# Allegro board 8880F5-0827_6.brd (continued)
## Routing (per net, layer and track width the routed paths; a pad name or vN(x,y) marks a point on that pad's centre or on a via; arc(x,y) is an arc through that point) (continued)
  L28_SIGNAL w0.074: 171.91,81.28 D118.B6 ; D118.B6 172.72,82.09 ; D118.B6 173.53,81.28 ; D118.B6 172.72,80.47 ; CSDPS429.C13 170.99,340.36 ; CSDPS429.C13 170.18,341.17 ; CSDPS429.C13 169.37,340.36 ; CSDPS429.C13 170.18,339.55 ; DPS2.C05 337.82,411.02 ; DPS2.C05 337.01,410.21 ; DPS2.C05 338.63,410.21 ; DPS2.C05 337.82,409.4 ; D231.B11 176.07,370.84 ; D231.B11 175.26,371.65 ; D231.B11 174.45,370.84 ; D231.B11 175.26,370.03 ; 108.41,81.28 D130.B10 ; D130.B10 109.22,80.47 ; D130.B10 110.03,81.28 ; D130.B10 109.22,82.09 ; 347.98,409.4 DPS2.C01 ; DPS2.C01 348.79,410.21 ; DPS2.C01 347.98,411.02 ; DPS2.C01 347.17,410.21 ; D302.A8 325.12,66.75 ; D302.A8 325.83,66.04 ; D302.A8 324.41,66.04 ; D302.A8 325.12,65.33 ; 330.2,352.25 D114.A8 ; D114.A8 330.2,353.87 ; D114.A8 329.39,353.06 ; D114.A8 331.01,353.06 ; 307.34,32.21 D104.A1 ; D104.A1 306.53,33.02 ; D104.A1 308.15,33.02 ; D104.A1 307.34,33.83 ; D112.B4 414.83,388.62 ; D112.B4 414.02,389.43 ; D112.B4 414.02,387.81 ; D112.B4 413.21,388.62 ; 388.62,90.73 D305.B4 ; D305.B4 387.91,91.44 ; D305.B4 389.33,91.44 ; D305.B4 388.62,92.15 ; 198.12,55.07 D119.A16 ; D119.A16 198.12,56.69 ; D119.A16 198.93,55.88 ; D119.A16 197.31,55.88 ; 123.65,35.56 D132.A16 ; D132.A16 124.46,34.75 ; D132.A16 124.46,36.37 ; D132.A16 125.27,35.56 ; D318.A13 190.5,64.21 ; D318.A13 189.79,63.5 ; D318.A13 191.21,63.5 ; D318.A13 190.5,62.79 ; D129.B2 88.9,102.41 ; D129.B2 88.9,100.79 ; D129.B2 89.71,101.6 ; D129.B2 88.09,101.6 ; 311.71,63.5 D302.A3 ; D302.A3 312.42,64.21 ; D302.A3 313.13,63.5 ; D302.A3 312.42,62.79 ; 248.21,68.58 D322.B7 ; D322.B7 248.92,67.87 ; D322.B7 248.92,69.29 ; D322.B7 249.63,68.58 ; D128.A6 25.4,36.37 ; D128.A6 26.21,35.56 ; D128.A6 24.59,35.56 ; D128.A6 25.4,34.75 ; D120.A11 186.23,33.02 ; D120.A11 185.42,32.21 ; D120.A11 185.42,33.83 ; D120.A11 184.61,33.02 ; D124.A16 272.59,35.56 ; D124.A16 271.78,36.37 ; D124.A16 270.97,35.56 ; D124.A16 271.78,34.75 ; D112.A16 383.54,394.51 ; D112.A16 384.35,393.7 ; D112.A16 383.54,392.89 ; D112.A16 382.73,393.7 ; 253.33,180.85 SITE3.G6 ; SITE3.G6 253.81,181.33 ; SITE3.G6 252.85,181.33 ; SITE3.G6 253.33,181.81 ; 245.67,71.12 D322.B6 ; D322.B6 246.38,71.83 ; D322.B6 246.38,70.41 ; D322.B6 247.09,71.12 ; D122.A4 241.3,77.01 ; D122.A4 240.49,76.2 ; D122.A4 242.11,76.2 ; D122.A4 241.3,75.39 ; DPS3.C15 269.24,19.86 ; DPS3.C15 269.24,18.24 ; DPS3.C15 268.43,19.05 ; DPS3.C15 270.05,19.05 ; D128.B8 31.29,40.64 ; D128.B8 30.48,39.83 ; D128.B8 30.48,41.45 ; D128.B8 29.67,40.64 ; 401.32,390.35 D112.B9 ; D112.B9 401.32,391.97 ; D112.B9 400.51,391.16 ; D112.B9 402.13,391.16 ; 106.68,93.17 D129.A9 ; D129.A9 107.49,93.98 ; D129.A9 105.87,93.98 ; D129.A9 106.68,94.79 ; D124.A1 233.68,33.83 ; D124.A1 234.49,33.02 ; D124.A1 233.68,32.21 ; D124.A1 232.87,33.02 ; D322.A6 246.38,66.75 ; D322.A6 245.67,66.04 ; D322.A6 247.09,66.04 ; D322.A6 246.38,65.33 ; 49.99,40.64 D128.B16 ; D128.B16 50.8,41.45 ; D128.B16 50.8,39.83 ; D128.B16 51.61,40.64 ; 410.67,370.84 D111.B5 ; D111.B5 411.48,371.65 ; D111.B5 412.29,370.84 ; D111.B5 411.48,370.03 ; 265.99,66.04 D322.A14 ; D322.A14 266.7,66.75 ; D322.A14 267.41,66.04 ; D322.A14 266.7,65.33 ; D109.A5 412.29,335.28 ; D109.A5 411.48,336.09 ; D109.A5 410.67,335.28 ; D109.A5 411.48,334.47 ; 174.45,58.42 D119.B7 ; D119.B7 175.26,57.61 ; D119.B7 175.26,59.23 ; D119.B7 176.07,58.42 ; 43.18,37.29 D128.B13 ; D128.B13 43.99,38.1 ; D128.B13 43.18,38.91 ; D128.B13 42.37,38.1 ; D109.B8 404.67,327.66 ; D109.B8 403.86,328.47 ; D109.B8 403.05,327.66 ; D109.B8 403.86,326.85 ; D103.B10 330.2,61.77 ; D103.B10 330.2,60.15 ; D103.B10 331.01,60.96 ; D103.B10 329.39,60.96 ; 171.91,55.88 D119.A6 ; D119.A6 172.72,56.69 ; D119.A6 173.53,55.88 ; D119.A6 172.72,55.07 ; 339.55,40.64 D104.B14 ; D104.B14 341.17,40.64 ; D104.B14 340.36,41.45 ; D104.B14 340.36,39.83 ; D301.A9 328.37,83.82 ; D301.A9 327.66,83.11 ; D301.A9 327.66,84.53 ; D301.A9 326.95,83.82 ; 184.71,83.82 D317.A11 ; D317.A11 185.42,83.11 ; D317.A11 185.42,84.53 ; D317.A11 186.13,83.82 ; 50.8,80.47 D126.B16 ; D126.B16 50.8,82.09 ; D126.B16 49.99,81.28 ; D126.B16 51.61,81.28 ; DPS2.A05 338.63,415.29 ; DPS2.A05 337.82,414.48 ; DPS2.A05 337.01,415.29 ; DPS2.A05 337.82,416.1 ; 324.31,40.64 D104.B8 ; D104.B8 325.12,41.45 ; D104.B8 325.12,39.83 ; D104.B8 325.93,40.64 ; D120.B12 187.96,41.45 ; D120.B12 187.96,39.83 ; D120.B12 187.15,40.64 ; D120.B12 188.77,40.64 ; 316.79,63.5 D302.A5 ; D302.A5 317.5,64.21 ; D302.A5 317.5,62.79 ; D302.A5 318.21,63.5 ; 241.3,342.09 CSDPS425.B14 ; CSDPS425.B14 240.49,342.9 ; CSDPS425.B14 241.3,343.71 ; CSDPS425.B14 242.11,342.9 ; 37.29,78.74 D126.B11 ; D126.B11 38.1,79.55 ; D126.B11 38.1,77.93 ; D126.B11 38.91,78.74 ; 386.08,88.19 D305.B3 ; D305.B3 386.79,88.9 ; D305.B3 385.37,88.9 ; D305.B3 386.08,89.61 ; 406.4,18.24 DPS1.C11 ; DPS1.C11 406.4,19.86 ; DPS1.C11 407.21,19.05 ; DPS1.C11 405.59,19.05 ; 121.11,38.1 D132.B15 ; D132.B15 121.92,38.91 ; D132.B15 121.92,37.29 ; D132.B15 122.73,38.1 ; 330.2,326.85 D113.B8 ; D113.B8 330.2,328.47 ; D113.B8 329.39,327.66 ; D113.B8 331.01,327.66 ; 259.08,32.21 D124.A11 ; D124.A11 259.89,33.02 ; D124.A11 259.08,33.83 ; D124.A11 258.27,33.02 ; CSDPS229.C13 170.18,331.01 ; CSDPS229.C13 170.18,329.39 ; CSDPS229.C13 170.99,330.2 ; CSDPS229.C13 169.37,330.2 ; 256.54,60.15 D123.B10 ; D123.B10 255.73,60.96 ; D123.B10 256.54,61.77 ; D123.B10 257.35,60.96 ; 332.74,62.79 D302.A11 ; D302.A11 332.03,63.5 ; D302.A11 333.45,63.5 ; D302.A11 332.74,64.21 ; D431.A1 201.47,386.08 ; D431.A1 200.66,385.27 ; D431.A1 199.85,386.08 ; D431.A1 200.66,386.89 ; D116.B2 346.25,388.62 ; D116.B2 344.63,388.62 ; D116.B2 345.44,387.81 ; D116.B2 345.44,389.43 ; CSDPS225.B6 262.43,332.74 ; CSDPS225.B6 260.81,332.74 ; CSDPS225.B6 261.62,331.93 ; CSDPS225.B6 261.62,333.55 ; SITE3.G14 250.71,182.83 ; SITE3.G14 250.23,182.35 ; SITE3.G14 249.75,182.83 ; SITE3.G14 250.23,183.31 ; D110.A13 391.97,355.6 ; D110.A13 391.16,356.41 ; D110.A13 390.35,355.6 ; D110.A13 391.16,354.79 ; 396.24,52.53 D107.A7 ; D107.A7 397.05,53.34 ; D107.A7 395.43,53.34 ; D107.A7 396.24,54.15 ; D119.B14 193.85,60.96 ; D119.B14 192.23,60.96 ; D119.B14 193.04,61.77 ; D119.B14 193.04,60.15 ; DPS2.A11 323.39,415.29 ; DPS2.A11 322.58,416.1 ; DPS2.A11 321.77,415.29 ; DPS2.A11 322.58,414.48 ; D114.A12 320.85,353.06 ; D114.A12 320.04,352.25 ; D114.A12 319.23,353.06 ; D114.A12 320.04,353.87 ; UNK2U1.4 482.59,229.49 ; UNK2U1.4 483.53,228.55 ; UNK2U1.4 482.59,227.61 ; UNK2U1.4 481.65,228.55 ; 309.88,65.33 D302.A2 ; D302.A2 309.88,66.75 ; D302.A2 309.17,66.04 ; D302.A2 310.59,66.04 ; 182.88,85.65 D317.A10 ; D317.A10 182.88,87.07 ; D317.A10 182.17,86.36 ; D317.A10 183.59,86.36 ; D231.B13 170.99,370.84 ; D231.B13 170.18,371.65 ; D231.B13 169.37,370.84 ; D231.B13 170.18,370.03 ; 342.9,390.35 D116.B3 ; D116.B3 342.09,391.16 ; D116.B3 342.9,391.97 ; D116.B3 343.71,391.16 ; 187.15,55.88 D119.A12 ; D119.A12 188.77,55.88 ; D119.A12 187.96,56.69 ; D119.A12 187.96,55.07 ; 258.37,63.5 D322.A11 ; D322.A11 259.08,64.21 ; D322.A11 259.79,63.5 ; D322.A11 259.08,62.79 ; 27.94,32.21 D128.A7 ; D128.A7 27.13,33.02 ; D128.A7 27.94,33.83 ; D128.A7 28.75,33.02 ; 187.25,86.36 D317.A12 ; D317.A12 187.96,87.07 ; D317.A12 188.67,86.36 ; D317.A12 187.96,85.65 ; 321.77,335.28 D113.A11 ; D113.A11 323.39,335.28 ; D113.A11 322.58,334.47 ; D113.A11 322.58,336.09 ; 184.61,58.42 D119.B11 ; D119.B11 186.23,58.42 ; D119.B11 185.42,59.23 ; D119.B11 185.42,57.61 ; 347.98,349.71 D114.B1 ; D114.B1 347.98,351.33 ; D114.B1 348.79,350.52 ; D114.B1 347.17,350.52 ; 248.92,62.79 D322.A7 ; D322.A7 249.63,63.5 ; D322.A7 248.21,63.5 ; D322.A7 248.92,64.21 ; 253.19,53.34 D123.A9 ; D123.A9 254.81,53.34 ; D123.A9 254,54.15 ; D123.A9 254,52.53 ; SITE1.G13 249.03,243.31 ; SITE1.G13 249.03,242.35 ; SITE1.G13 249.51,242.83 ; SITE1.G13 248.55,242.83 ; 396.24,32.21 D108.A7 ; D108.A7 395.43,33.02 ; D108.A7 396.24,33.83 ; D108.A7 397.05,33.02 ; 250.95,186.43 SITE3.G19 ; SITE3.G19 251.43,185.95 ; SITE3.G19 251.91,186.43 ; SITE3.G19 251.43,186.91 ; D126.A1 13.51,73.66 ; D126.A1 12.7,72.85 ; D126.A1 11.89,73.66 ; D126.A1 12.7,74.47 ; 164.29,58.42 D119.B3 ; D119.B3 165.1,57.61 ; D119.B3 165.91,58.42 ; D119.B3 165.1,59.23 ; 19.51,96.52 D125.A4 ; D125.A4 20.32,95.71 ; D125.A4 20.32,97.33 ; D125.A4 21.13,96.52 ; 406.4,57.61 D107.B11 ; D107.B11 405.59,58.42 ; D107.B11 406.4,59.23 ; D107.B11 407.21,58.42 ; 330.2,90.73 D301.B10 ; D301.B10 330.91,91.44 ; D301.B10 329.49,91.44 ; D301.B10 330.2,92.15 ; 248.92,339.55 CSDPS425.C11 ; CSDPS425.C11 248.11,340.36 ; CSDPS425.C11 249.73,340.36 ; CSDPS425.C11 248.92,341.17 ; 248.33,187.45 SITE3.G7 ; SITE3.G7 248.33,188.41 ; SITE3.G7 247.85,187.93 ; SITE3.G7 248.81,187.93 ; 250.23,185.95 SITE3.G18 ; SITE3.G18 250.23,186.91 ; SITE3.G18 250.71,186.43 ; SITE3.G18 249.75,186.43 ; D110.B16 384.35,347.98 ; D110.B16 383.54,348.79 ; D110.B16 383.54,347.17 ; D110.B16 382.73,347.98 ; D128.B2 15.24,41.45 ; D128.B2 15.24,39.83 ; D128.B2 14.43,40.64 ; D128.B2 16.05,40.64 ; 385.27,375.92 D111.A15 ; D111.A15 386.08,375.11 ; D111.A15 386.89,375.92 ; D111.A15 386.08,376.73 ; CSDPS229.B14 167.64,333.55 ; CSDPS229.B14 168.45,332.74 ; CSDPS229.B14 167.64,331.93 ; CSDPS229.B14 166.83,332.74 ; D103.B13 338.63,58.42 ; D103.B13 337.82,59.23 ; D103.B13 337.82,57.61 ; D103.B13 337.01,58.42 ; D322.B4 241.3,71.83 ; D322.B4 240.59,71.12 ; D322.B4 242.01,71.12 ; D322.B4 241.3,70.41 ; 416.56,370.03 D111.B3 ; D111.B3 416.56,371.65 ; D111.B3 415.75,370.84 ; D111.B3 417.37,370.84 ; DPS2.C15 312.42,411.02 ; DPS2.C15 311.61,410.21 ; DPS2.C15 312.42,409.4 ; DPS2.C15 313.23,410.21 ; D322.A10 257.25,66.04 ; D322.A10 256.54,66.75 ; D322.A10 256.54,65.33 ; D322.A10 255.83,66.04 ; 400.61,88.9 D305.B9 ; D305.B9 401.32,88.19 ; D305.B9 402.03,88.9 ; D305.B9 401.32,89.61 ; 90.63,93.98 D129.A3 ; D129.A3 92.25,93.98 ; D129.A3 91.44,94.79 ; D129.A3 91.44,93.17 ; 406.4,375.11 D111.A7 ; D111.A7 407.21,375.92 ; D111.A7 405.59,375.92 ; D111.A7 406.4,376.73 ; 330.2,70.41 D302.B10 ; D302.B10 330.91,71.12 ; D302.B10 330.2,71.83 ; D302.B10 329.49,71.12 ; 238.05,83.82 D321.A3 ; D321.A3 238.76,83.11 ; D321.A3 239.47,83.82 ; D321.A3 238.76,84.53 ; 251.85,241.33 SITE1.G5 ; SITE1.G5 252.33,241.81 ; SITE1.G5 252.33,240.85 ; SITE1.G5 252.81,241.33 ; 385.37,68.58 D306.B3 ; D306.B3 386.08,67.87 ; D306.B3 386.08,69.29 ; D306.B3 386.79,68.58 ; D112.A8 404.67,393.7 ; D112.A8 403.86,392.89 ; D112.A8 403.05,393.7 ; D112.A8 403.86,394.51 ; 421.64,375.11 D111.A1 ; D111.A1 420.83,375.92 ; D111.A1 422.45,375.92 ; D111.A1 421.64,376.73 ; 327.66,329.39 D113.B9 ; D113.B9 326.85,330.2 ; D113.B9 328.47,330.2 ; D113.B9 327.66,331.01 ; D106.A3 386.89,73.66 ; D106.A3 386.08,72.85 ; D106.A3 386.08,74.47 ; D106.A3 385.27,73.66 ; 314.96,352.25 D114.A14 ; D114.A14 315.77,353.06 ; D114.A14 314.15,353.06 ; D114.A14 314.96,353.87 ; D108.B9 401.32,38.91 ; D108.B9 400.51,38.1 ; D108.B9 401.32,37.29 ; D108.B9 402.13,38.1 ; D120.B16 198.12,41.45 ; D120.B16 197.31,40.64 ; D120.B16 198.12,39.83 ; D120.B16 198.93,40.64 ; CSDPS425.B2 272.59,342.9 ; CSDPS425.B2 271.78,343.71 ; CSDPS425.B2 270.97,342.9 ; CSDPS425.B2 271.78,342.09 ; 517.98,203.45 S4_I2C.4 ; S4_I2C.4 518.92,202.51 ; S4_I2C.4 518.92,204.39 ; S4_I2C.4 519.86,203.45 ; D131.B3 92.25,58.42 ; D131.B3 91.44,57.61 ; D131.B3 90.63,58.42 ; D131.B3 91.44,59.23 ; 250.65,40.64 D124.B8 ; D124.B8 252.27,40.64 ; D124.B8 251.46,41.45 ; D124.B8 251.46,39.83 ; 311.61,78.74 D102.B3 ; D102.B3 312.42,79.55 ; D102.B3 312.42,77.93 ; D102.B3 313.23,78.74 ; D104.A15 343.71,33.02 ; D104.A15 342.9,33.83 ; D104.A15 342.09,33.02 ; D104.A15 342.9,32.21 ; D321.B2 236.93,91.44 ; D321.B2 236.22,92.15 ; D321.B2 235.51,91.44 ; D321.B2 236.22,90.73 ; DPS3.A01 233.68,14.78 ; DPS3.A01 234.49,13.97 ; DPS3.A01 232.87,13.97 ; DPS3.A01 233.68,13.16 ; 187.96,367.49 D231.B6 ; D231.B6 187.15,368.3 ; D231.B6 188.77,368.3 ; D231.B6 187.96,369.11 ; 172.72,331.93 CSDPS229.B12 ; CSDPS229.B12 171.91,332.74 ; CSDPS229.B12 172.72,333.55 ; CSDPS229.B12 173.53,332.74 ; D106.B2 384.35,81.28 ; D106.B2 383.54,80.47 ; D106.B2 382.73,81.28 ; D106.B2 383.54,82.09 ; 254,67.87 D322.B9 ; D322.B9 254,69.29 ; D322.B9 253.29,68.58 ; D322.B9 254.71,68.58 ; 177.8,70.41 D318.B8 ; D318.B8 177.09,71.12 ; D318.B8 178.51,71.12 ; D318.B8 177.8,71.83 ; D305.A1 381,84.53 ; D305.A1 381.71,83.82 ; D305.A1 380.29,83.82 ; D305.A1 381,83.11 ; 413.21,393.7 D112.A4 ; D112.A4 414.02,392.89 ; D112.A4 414.02,394.51 ; D112.A4 414.83,393.7 ; 331.33,187.45 SITE4.G10 ; SITE4.G10 330.85,187.93 ; SITE4.G10 331.81,187.93 ; SITE4.G10 331.33,188.41 ; D126.B13 43.99,78.74 ; D126.B13 42.37,78.74 ; D126.B13 43.18,77.93 ; D126.B13 43.18,79.55 ; D122.B12 261.62,82.09 ; D122.B12 260.81,81.28 ; D122.B12 261.62,80.47 ; D122.B12 262.43,81.28 ; 22.05,58.42 D127.B5 ; D127.B5 22.86,57.61 ; D127.B5 22.86,59.23 ; D127.B5 23.67,58.42 ; D120.A10 183.69,35.56 ; D120.A10 182.88,34.75 ; D120.A10 182.07,35.56 ; D120.A10 182.88,36.37 ; 406.4,370.03 D111.B7 ; D111.B7 405.59,370.84 ; D111.B7 407.21,370.84 ; D111.B7 406.4,371.65 ; D109.B6 409.75,327.66 ; D109.B6 408.13,327.66 ; D109.B6 408.94,328.47 ; D109.B6 408.94,326.85 ; 88.09,96.52 D129.A2 ; D129.A2 89.71,96.52 ; D129.A2 88.9,97.33 ; D129.A2 88.9,95.71 ; 35.56,75.39 D126.A10 ; D126.A10 35.56,77.01 ; D126.A10 34.75,76.2 ; D126.A10 36.37,76.2 ; 254,77.93 D122.B9 ; D122.B9 254,79.55 ; D122.B9 253.19,78.74 ; D122.B9 254.81,78.74 ; D119.A1 160.02,54.15 ; D119.A1 159.21,53.34 ; D119.A1 160.02,52.53 ; D119.A1 160.83,53.34 ; 383.54,372.57 D111.A16 ; D111.A16 382.73,373.38 ; D111.A16 383.54,374.19 ; D111.A16 384.35,373.38 ; SITE2.G18 330.71,246.43 ; SITE2.G18 329.75,246.43 ; SITE2.G18 330.23,245.95 ; SITE2.G18 330.23,246.91 ; D104.B2 310.69,40.64 ; D104.B2 309.07,40.64 ; D104.B2 309.88,41.45 ; D104.B2 309.88,39.83 ; D318.A7 175.26,64.21 ; D318.A7 175.26,62.79 ; D318.A7 175.97,63.5 ; D318.A7 174.55,63.5 ; D111.A10 399.59,373.38 ; D111.A10 398.78,372.57 ; D111.A10 398.78,374.19 ; D111.A10 397.97,373.38 ; D116.B14 315.77,388.62 ; D116.B14 314.96,389.43 ; D116.B14 314.15,388.62 ; D116.B14 314.96,387.81 ; D120.A1 160.83,33.02 ; D120.A1 160.02,33.83 ; D120.A1 159.21,33.02 ; D120.A1 160.02,32.21 ; 240.59,66.04 D322.A4 ; D322.A4 242.01,66.04 ; D322.A4 241.3,65.33 ; D322.A4 241.3,66.75 ; SITE2.G4 331.33,241.81 ; SITE2.G4 331.33,240.85 ; SITE2.G4 331.81,241.33 ; SITE2.G4 330.85,241.33 ; 49.99,60.96 D127.B16 ; D127.B16 50.8,61.77 ; D127.B16 51.61,60.96 ; D127.B16 50.8,60.15 ; 330.2,75.39 D102.A10 ; D102.A10 330.2,77.01 ; D102.A10 331.01,76.2 ; D102.A10 329.39,76.2 ; D231.B14 168.45,368.3 ; D231.B14 166.83,368.3 ; D231.B14 167.64,369.11 ; D231.B14 167.64,367.49 ; 398.78,85.65 D305.A8 ; D305.A8 398.78,87.07 ; D305.A8 398.07,86.36 ; D305.A8 399.49,86.36 ; D107.B13 412.29,58.42 ; D107.B13 411.48,57.61 ; D107.B13 411.48,59.23 ; D107.B13 410.67,58.42 ; D114.A7 332.74,356.41 ; D114.A7 332.74,354.79 ; D114.A7 333.55,355.6 ; D114.A7 331.93,355.6 ; 105.87,38.1 D132.B9 ; D132.B9 106.68,38.91 ; D132.B9 107.49,38.1 ; D132.B9 106.68,37.29 ; D317.B7 175.97,88.9 ; D317.B7 175.26,89.61 ; D317.B7 175.26,88.19 ; D317.B7 174.55,88.9 ; 169.37,58.42 D119.B5 ; D119.B5 170.18,57.61 ; D119.B5 170.18,59.23 ; D119.B5 170.99,58.42 ; D317.B8 177.8,92.15 ; D317.B8 178.51,91.44 ; D317.B8 177.09,91.44 ; D317.B8 177.8,90.73 ; D431.B1 200.66,381.81 ; D431.B1 200.66,380.19 ; D431.B1 201.47,381 ; D431.B1 199.85,381 ; D106.B7 397.05,78.74 ; D106.B7 395.43,78.74 ; D106.B7 396.24,79.55 ; D106.B7 396.24,77.93 ; 403.86,75.39 D106.A10 ; D106.A10 403.86,77.01 ; D106.A10 404.67,76.2 ; D106.A10 403.05,76.2 ; D322.B3 239.47,68.58 ; D322.B3 238.76,69.29 ; D322.B3 238.76,67.87 ; D322.B3 238.05,68.58 ; D129.A12 115.11,96.52 ; D129.A12 114.3,97.33 ; D129.A12 113.49,96.52 ; D129.A12 114.3,95.71 ; SITE3.G12 253.81,187.93 ; SITE3.G12 252.85,187.93 ; SITE3.G12 253.33,187.45 ; SITE3.G12 253.33,188.41 ; 116.03,53.34 D131.A13 ; D131.A13 116.84,52.53 ; D131.A13 117.65,53.34 ; D131.A13 116.84,54.15 ; 322.58,52.53 D103.A7 ; D103.A7 322.58,54.15 ; D103.A7 321.77,53.34 ; D103.A7 323.39,53.34 ; 270.97,81.28 D122.B16 ; D122.B16 271.78,82.09 ; D122.B16 272.59,81.28 ; D122.B16 271.78,80.47 ; 418.29,40.64 D108.B16 ; D108.B16 419.1,39.83 ; D108.B16 419.91,40.64 ; D108.B16 419.1,41.45 ; 269.24,83.11 D321.A15 ; D321.A15 269.24,84.53 ; D321.A15 269.95,83.82 ; D321.A15 268.53,83.82 ; D431.A7 186.23,386.08 ; D431.A7 185.42,386.89 ; D431.A7 184.61,386.08 ; D431.A7 185.42,385.27 ; D109.B14 388.62,328.47 ; D109.B14 389.43,327.66 ; D109.B14 387.81,327.66 ; D109.B14 388.62,326.85 ; 311.71,68.58 D302.B3 ; D302.B3 313.13,68.58 ; D302.B3 312.42,69.29 ; D302.B3 312.42,67.87 ; 235.41,332.74 CSDPS225.B16 ; CSDPS225.B16 236.22,333.55 ; CSDPS225.B16 237.03,332.74 ; CSDPS225.B16 236.22,331.93 ; D127.B6 26.21,60.96 ; D127.B6 25.4,61.77 ; D127.B6 25.4,60.15 ; D127.B6 24.59,60.96 ; D126.A15 48.26,74.47 ; D126.A15 47.45,73.66 ; D126.A15 49.07,73.66 ; D126.A15 48.26,72.85 ; 39.83,101.6 D125.B12 ; D125.B12 40.64,100.79 ; D125.B12 40.64,102.41 ; D125.B12 41.45,101.6 ; 176.99,60.96 D119.B8 ; D119.B8 177.8,60.15 ; D119.B8 177.8,61.77 ; D119.B8 178.61,60.96 ; 309.07,347.98 D114.B16 ; D114.B16 310.69,347.98 ; D114.B16 309.88,347.17 ; D114.B16 309.88,348.79 ; 320.04,55.07 D103.A6 ; D103.A6 320.04,56.69 ; D103.A6 319.23,55.88 ; D103.A6 320.85,55.88 ; D116.B9 327.66,391.97 ; D116.B9 328.47,391.16 ; D116.B9 326.85,391.16 ; D116.B9 327.66,390.35 ; D107.A12 408.94,56.69 ; D107.A12 409.75,55.88 ; D107.A12 408.94,55.07 ; D107.A12 408.13,55.88 ; 42.37,33.02 D128.A13 ; D128.A13 43.18,33.83 ; D128.A13 43.99,33.02 ; D128.A13 43.18,32.21 ; 15.24,60.15 D127.B2 ; D127.B2 14.43,60.96 ; D127.B2 15.24,61.77 ; D127.B2 16.05,60.96 ; 421.64,349.71 D110.B1 ; D110.B1 421.64,351.33 ; D110.B1 420.83,350.52 ; D110.B1 422.45,350.52 ; D107.A9 402.13,53.34 ; D107.A9 400.51,53.34 ; D107.A9 401.32,54.15 ; D107.A9 401.32,52.53 ; 261.62,60.15 D123.B12 ; D123.B12 262.43,60.96 ; D123.B12 260.81,60.96 ; D123.B12 261.62,61.77 ; D301.A2 310.59,86.36 ; D301.A2 309.88,87.07 ; D301.A2 309.17,86.36 ; D301.A2 309.88,85.65 ; 253.19,340.36 CSDPS425.C9 ; CSDPS425.C9 254,341.17 ; CSDPS425.C9 254,339.55 ; CSDPS425.C9 254.81,340.36 ; D125.A1 12.7,94.79 ; D125.A1 11.89,93.98 ; D125.A1 13.51,93.98 ; D125.A1 12.7,93.17 ; 252.33,247.45 SITE1.G11 ; SITE1.G11 252.81,247.93 ; SITE1.G11 251.85,247.93 ; SITE1.G11 252.33,248.41 ; D113.A14 315.77,332.74 ; D113.A14 314.96,333.55 ; D113.A14 314.96,331.93 ; D113.A14 314.15,332.74 ; SITE2.G10 331.81,247.93 ; SITE2.G10 330.85,247.93 ; SITE2.G10 331.33,247.45 ; SITE2.G10 331.33,248.41 ; D119.B12 188.77,60.96 ; D119.B12 187.96,61.77 ; D119.B12 187.15,60.96 ; D119.B12 187.96,60.15 ; CSDPS225.B14 241.3,333.55 ; CSDPS225.B14 240.49,332.74 ; CSDPS225.B14 241.3,331.93 ; CSDPS225.B14 242.11,332.74 ; 418.29,76.2 D106.A16 ; D106.A16 419.1,77.01 ; D106.A16 419.1,75.39 ; D106.A16 419.91,76.2 ; D302.A4 314.96,66.75 ; D302.A4 314.25,66.04 ; D302.A4 314.96,65.33 ; D302.A4 315.67,66.04 ; D113.B1 348.79,330.2 ; D113.B1 347.98,329.39 ; D113.B1 347.17,330.2 ; D113.B1 347.98,331.01 ; 342.09,78.74 D102.B15 ; D102.B15 342.9,77.93 ; D102.B15 343.71,78.74 ; D102.B15 342.9,79.55 ; D321.B7 248.92,89.61 ; D321.B7 248.21,88.9 ; D321.B7 248.92,88.19 ; D321.B7 249.63,88.9 ; D318.A10 183.59,66.04 ; D318.A10 182.17,66.04 ; D318.A10 182.88,66.75 ; D318.A10 182.88,65.33 ; D124.A4 241.3,36.37 ; D124.A4 241.3,34.75 ; D124.A4 242.11,35.56 ; D124.A4 240.49,35.56 ; 174.45,375.92 D231.A11 ; D231.A11 176.07,375.92 ; D231.A11 175.26,376.73 ; D231.A11 175.26,375.11 ; D116.B13 317.5,391.97 ; D116.B13 317.5,390.35 ; D116.B13 316.69,391.16 ; D116.B13 318.31,391.16 ; D107.A1 381,54.15 ; D107.A1 381.81,53.34 ; D107.A1 381,52.53 ; D107.A1 380.19,53.34 ; CSDPS429.C1 200.66,341.17 ; CSDPS429.C1 200.66,339.55 ; CSDPS429.C1 201.47,340.36 ; CSDPS429.C1 199.85,340.36 ; 320.04,70.41 D302.B6 ; D302.B6 319.33,71.12 ; D302.B6 320.04,71.83 ; D302.B6 320.75,71.12 ; D302.A6 320.04,66.75 ; D302.A6 320.04,65.33 ; D302.A6 319.33,66.04 ; D302.A6 320.75,66.04 ; D321.A9 254,84.53 ; D321.A9 253.29,83.82 ; D321.A9 254,83.11 ; D321.A9 254.71,83.82 ; D103.A13 338.63,53.34 ; D103.A13 337.01,53.34 ; D103.A13 337.82,52.53 ; D103.A13 337.82,54.15 ; 161.85,71.12 D318.B2 ; D318.B2 162.56,70.41 ; D318.B2 162.56,71.83 ; D318.B2 163.27,71.12 ; D127.A14 46.53,55.88 ; D127.A14 45.72,55.07 ; D127.A14 45.72,56.69 ; D127.A14 44.91,55.88 ; D321.B12 262.33,91.44 ; D321.B12 261.62,92.15 ; D321.B12 260.91,91.44 ; D321.B12 261.62,90.73 ; D123.A2 236.22,56.69 ; D123.A2 235.41,55.88 ; D123.A2 236.22,55.07 ; D123.A2 237.03,55.88 ; D123.B3 239.57,58.42 ; D123.B3 238.76,57.61 ; D123.B3 238.76,59.23 ; D123.B3 237.95,58.42 ; 381,72.85 D106.A1 ; D106.A1 381.81,73.66 ; D106.A1 380.19,73.66 ; D106.A1 381,74.47 ; 316.69,330.2 D113.B13 ; D113.B13 317.5,331.01 ; D113.B13 317.5,329.39 ; D113.B13 318.31,330.2 ; 121.92,52.53 D131.A15 ; D131.A15 121.92,54.15 ; D131.A15 122.73,53.34 ; D131.A15 121.11,53.34 ; 416.56,62.79 D306.A15 ; D306.A15 415.85,63.5 ; D306.A15 417.27,63.5 ; D306.A15 416.56,64.21 ; SITE4.G17 329.03,186.91 ; SITE4.G17 329.51,186.43 ; SITE4.G17 328.55,186.43 ; SITE4.G17 329.03,185.95 ; 121.92,72.85 D130.A15 ; D130.A15 122.73,73.66 ; D130.A15 121.11,73.66 ; D130.A15 121.92,74.47 ; D118.B11 186.23,78.74 ; D118.B11 185.42,77.93 ; D118.B11 184.61,78.74 ; D118.B11 185.42,79.55 ; D103.A10 331.01,55.88 ; D103.A10 330.2,55.07 ; D103.A10 329.39,55.88 ; D103.A10 330.2,56.69 ; 110.95,73.66 D130.A11 ; D130.A11 112.57,73.66 ; D130.A11 111.76,72.85 ; D130.A11 111.76,74.47 ; 344.73,86.36 D301.A16 ; D301.A16 346.15,86.36 ; D301.A16 345.44,87.07 ; D301.A16 345.44,85.65 ; D114.A9 328.47,355.6 ; D114.A9 327.66,354.79 ; D114.A9 326.85,355.6 ; D114.A9 327.66,356.41 ; 405.69,68.58 D306.B11 ; D306.B11 407.11,68.58 ; D306.B11 406.4,69.29 ; D306.B11 406.4,67.87 ; D321.B6 246.38,92.15 ; D321.B6 245.67,91.44 ; D321.B6 246.38,90.73 ; D321.B6 247.09,91.44 ; 268.43,33.02 D124.A15 ; D124.A15 269.24,33.83 ; D124.A15 270.05,33.02 ; D124.A15 269.24,32.21 ; D115.A3 342.9,376.73 ; D115.A3 342.09,375.92 ; D115.A3 342.9,375.11 ; D115.A3 343.71,375.92 ; D102.B8 325.93,81.28 ; D102.B8 325.12,82.09 ; D102.B8 324.31,81.28 ; D102.B8 325.12,80.47 ; 326.95,68.58 D302.B9 ; D302.B9 328.37,68.58 ; D302.B9 327.66,67.87 ; D302.B9 327.66,69.29 ; 335.28,352.25 D114.A6 ; D114.A6 336.09,353.06 ; D114.A6 334.47,353.06 ; D114.A6 335.28,353.87 ; D306.A3 386.79,63.5 ; D306.A3 385.37,63.5 ; D306.A3 386.08,62.79 ; D306.A3 386.08,64.21 ; D322.B10 257.25,71.12 ; D322.B10 256.54,70.41 ; D322.B10 256.54,71.83 ; D322.B10 255.83,71.12 ; 405.59,355.6 D110.A7 ; D110.A7 406.4,354.79 ; D110.A7 407.21,355.6 ; D110.A7 406.4,356.41 ; D122.A8 251.46,77.01 ; D122.A8 250.65,76.2 ; D122.A8 251.46,75.39 ; D122.A8 252.27,76.2 ; D103.A15 342.9,54.15 ; D103.A15 342.9,52.53 ; D103.A15 342.09,53.34 ; D103.A15 343.71,53.34 ; D112.B16 384.35,388.62 ; D112.B16 383.54,389.43 ; D112.B16 382.73,388.62 ; D112.B16 383.54,387.81 ; D113.A16 309.88,333.55 ; D113.A16 309.88,331.93 ; D113.A16 309.07,332.74 ; D113.A16 310.69,332.74 ; 410.67,33.02 D108.A13 ; D108.A13 412.29,33.02 ; D108.A13 411.48,33.83 ; D108.A13 411.48,32.21 ; 38.1,72.85 D126.A11 ; D126.A11 37.29,73.66 ; D126.A11 38.1,74.47 ; D126.A11 38.91,73.66 ; D109.A3 417.37,335.28 ; D109.A3 416.56,334.47 ; D109.A3 415.75,335.28 ; D109.A3 416.56,336.09 ; 194.77,38.1 D120.B15 ; D120.B15 195.58,37.29 ; D120.B15 196.39,38.1 ; D120.B15 195.58,38.91 ; SITE2.G14 330.23,243.31 ; SITE2.G14 330.23,242.35 ; SITE2.G14 330.71,242.83 ; SITE2.G14 329.75,242.83 ; D129.A1 87.17,93.98 ; D129.A1 86.36,93.17 ; D129.A1 86.36,94.79 ; D129.A1 85.55,93.98 ; 182.88,367.49 D231.B8 ; D231.B8 182.07,368.3 ; D231.B8 183.69,368.3 ; D231.B8 182.88,369.11 ; D125.B1 12.7,99.87 ; D125.B1 13.51,99.06 ; D125.B1 11.89,99.06 ; D125.B1 12.7,98.25 ; 250.33,247.45 SITE1.G9 ; SITE1.G9 250.81,247.93 ; SITE1.G9 250.33,248.41 ; SITE1.G9 249.85,247.93 ; D123.A16 271.78,56.69 ; D123.A16 270.97,55.88 ; D123.A16 271.78,55.07 ; D123.A16 272.59,55.88 ; 271.07,66.04 D322.A16 ; D322.A16 271.78,65.33 ; D322.A16 272.49,66.04 ; D322.A16 271.78,66.75 ; 241.3,55.07 D123.A4 ; D123.A4 241.3,56.69 ; D123.A4 242.11,55.88 ; D123.A4 240.49,55.88 ; 408.94,392.89 D112.A6 ; D112.A6 409.75,393.7 ; D112.A6 408.94,394.51 ; D112.A6 408.13,393.7 ; D130.A16 125.27,76.2 ; D130.A16 124.46,77.01 ; D130.A16 124.46,75.39 ; D130.A16 123.65,76.2 ; 101.6,93.17 D129.A7 ; D129.A7 101.6,94.79 ; D129.A7 100.79,93.98 ; D129.A7 102.41,93.98 ; D322.B16 271.78,71.83 ; D322.B16 272.49,71.12 ; D322.B16 271.78,70.41 ; D322.B16 271.07,71.12 ; D106.B9 402.13,78.74 ; D106.B9 401.32,77.93 ; D106.B9 401.32,79.55 ; D106.B9 400.51,78.74 ; 22.86,37.29 D128.B5 ; D128.B5 22.05,38.1 ; D128.B5 22.86,38.91 ; D128.B5 23.67,38.1 ; D231.B3 195.58,371.65 ; D231.B3 196.39,370.84 ; D231.B3 195.58,370.03 ; D231.B3 194.77,370.84 ; 175.26,77.93 D118.B7 ; D118.B7 176.07,78.74 ; D118.B7 175.26,79.55 ; D118.B7 174.45,78.74 ; CSDPS225.C11 248.92,331.01 ; CSDPS225.C11 248.11,330.2 ; CSDPS225.C11 249.73,330.2 ; CSDPS225.C11 248.92,329.39 ; D109.B2 419.91,327.66 ; D109.B2 419.1,328.47 ; D109.B2 418.29,327.66 ; D109.B2 419.1,326.85 ; D131.B15 122.73,58.42 ; D131.B15 121.11,58.42 ; D131.B15 121.92,57.61 ; D131.B15 121.92,59.23 ; D102.A12 336.09,76.2 ; D102.A12 334.47,76.2 ; D102.A12 335.28,77.01 ; D102.A12 335.28,75.39 ; 265.89,76.2 D122.A14 ; D122.A14 266.7,75.39 ; D122.A14 267.51,76.2 ; D122.A14 266.7,77.01 ; 335.28,392.89 D116.A6 ; D116.A6 336.09,393.7 ; D116.A6 334.47,393.7 ; D116.A6 335.28,394.51 ; 347.17,355.6 D114.A1 ; D114.A1 348.79,355.6 ; D114.A1 347.98,356.41 ; D114.A1 347.98,354.79 ; D321.B1 233.68,89.61 ; D321.B1 234.39,88.9 ; D321.B1 233.68,88.19 ; D321.B1 232.97,88.9 ; 314.15,35.56 D104.A4 ; D104.A4 314.96,34.75 ; D104.A4 314.96,36.37 ; D104.A4 315.77,35.56 ; 335.28,387.81 D116.B6 ; D116.B6 335.28,389.43 ; D116.B6 334.47,388.62 ; D116.B6 336.09,388.62 ; 176.99,373.38 D231.A10 ; D231.A10 177.8,372.57 ; D231.A10 177.8,374.19 ; D231.A10 178.61,373.38 ; SITE1.G8 249.81,247.93 ; SITE1.G8 249.33,247.45 ; SITE1.G8 249.33,248.41 ; SITE1.G8 248.85,247.93 ; D306.A5 391.87,63.5 ; D306.A5 390.45,63.5 ; D306.A5 391.16,62.79 ; D306.A5 391.16,64.21 ; D119.A2 163.37,55.88 ; D119.A2 162.56,55.07 ; D119.A2 161.75,55.88 ; D119.A2 162.56,56.69 ; D127.A7 28.75,53.34 ; D127.A7 27.94,54.15 ; D127.A7 27.13,53.34 ; D127.A7 27.94,52.53 ; 324.31,388.62 D116.B10 ; D116.B10 325.12,387.81 ; D116.B10 325.12,389.43 ; D116.B10 325.93,388.62 ; D318.A6 173.43,66.04 ; D318.A6 172.01,66.04 ; D318.A6 172.72,65.33 ; D318.A6 172.72,66.75 ; D120.B8 178.61,40.64 ; D120.B8 176.99,40.64 ; D120.B8 177.8,39.83 ; D120.B8 177.8,41.45 ; D122.B1 234.49,78.74 ; D122.B1 233.68,79.55 ; D122.B1 233.68,77.93 ; D122.B1 232.87,78.74 ; 45.72,100.79 D125.B14 ; D125.B14 46.53,101.6 ; D125.B14 45.72,102.41 ; D125.B14 44.91,101.6 ; D125.A7 28.75,93.98 ; D125.A7 27.94,93.17 ; D125.A7 27.94,94.79 ; D125.A7 27.13,93.98 ; D305.B5 391.87,88.9 ; D305.B5 391.16,89.61 ; D305.B5 390.45,88.9 ; D305.B5 391.16,88.19 ; D118.A12 188.77,76.2 ; D118.A12 187.15,76.2 ; D118.A12 187.96,77.01 ; D118.A12 187.96,75.39 ; 418.29,353.06 D110.A2 ; D110.A2 419.1,353.87 ; D110.A2 419.1,352.25 ; D110.A2 419.91,353.06 ; 103.33,60.96 D131.B8 ; D131.B8 104.95,60.96 ; D131.B8 104.14,60.15 ; D131.B8 104.14,61.77 ; 326.85,33.02 D104.A9 ; D104.A9 328.47,33.02 ; D104.A9 327.66,32.21 ; D104.A9 327.66,33.83 ; D131.B12 114.3,61.77 ; D131.B12 115.11,60.96 ; D131.B12 113.49,60.96 ; D131.B12 114.3,60.15 ; D108.A3 386.08,33.83 ; D108.A3 385.27,33.02 ; D108.A3 386.89,33.02 ; D108.A3 386.08,32.21 ; D123.A14 267.51,55.88 ; D123.A14 266.7,55.07 ; D123.A14 265.89,55.88 ; D123.A14 266.7,56.69 ; 347.98,375.11 D115.A1 ; D115.A1 347.17,375.92 ; D115.A1 347.98,376.73 ; D115.A1 348.79,375.92 ; D111.B13 391.16,371.65 ; D111.B13 390.35,370.84 ; D111.B13 391.97,370.84 ; D111.B13 391.16,370.03 ; 185.42,37.29 D120.B11 ; D120.B11 184.61,38.1 ; D120.B11 185.42,38.91 ; D120.B11 186.23,38.1 ; 395.53,88.9 D305.B7 ; D305.B7 396.95,88.9 ; D305.B7 396.24,88.19 ; D305.B7 396.24,89.61 ; 175.26,83.11 D317.A7 ; D317.A7 175.97,83.82 ; D317.A7 174.55,83.82 ; D317.A7 175.26,84.53 ; 27.13,38.1 D128.B7 ; D128.B7 27.94,38.91 ; D128.B7 28.75,38.1 ; D128.B7 27.94,37.29 ; D116.A16 310.69,393.7 ; D116.A16 309.07,393.7 ; D116.A16 309.88,394.51 ; D116.A16 309.88,392.89 ; 232.87,73.66 D122.A1 ; D122.A1 233.68,74.47 ; D122.A1 234.49,73.66 ; D122.A1 233.68,72.85 ; D306.B7 396.24,69.29 ; D306.B7 396.24,67.87 ; D306.B7 395.53,68.58 ; D306.B7 396.95,68.58 ; 199.85,415.29 DPS8.A01 ; DPS8.A01 200.66,414.48 ; DPS8.A01 200.66,416.1 ; DPS8.A01 201.47,415.29 ; 253.19,33.02 D124.A9 ; D124.A9 254,32.21 ; D124.A9 254.81,33.02 ; D124.A9 254,33.83 ; CSDPS429.C5 190.5,341.17 ; CSDPS429.C5 190.5,339.55 ; CSDPS429.C5 191.31,340.36 ; CSDPS429.C5 189.69,340.36 ; 17.78,72.85 D126.A3 ; D126.A3 17.78,74.47 ; D126.A3 16.97,73.66 ; D126.A3 18.59,73.66 ; D114.B3 343.71,350.52 ; D114.B3 342.9,349.71 ; D114.B3 342.09,350.52 ; D114.B3 342.9,351.33 ; D122.A9 254,74.47 ; D122.A9 254.81,73.66 ; D122.A9 254,72.85 ; D122.A9 253.19,73.66 ; 160.02,88.19 D317.B1 ; D317.B1 160.02,89.61 ; D317.B1 159.31,88.9 ; D317.B1 160.73,88.9 ; 260.81,40.64 D124.B12 ; D124.B12 261.62,41.45 ; D124.B12 262.43,40.64 ; D124.B12 261.62,39.83 ; D110.A3 417.37,355.6 ; D110.A3 415.75,355.6 ; D110.A3 416.56,354.79 ; D110.A3 416.56,356.41 ; D123.B2 237.03,60.96 ; D123.B2 236.22,61.77 ; D123.B2 235.41,60.96 ; D123.B2 236.22,60.15 ; 408.94,34.75 D108.A12 ; D108.A12 409.75,35.56 ; D108.A12 408.13,35.56 ; D108.A12 408.94,36.37 ; 274.32,339.55 CSDPS425.C1 ; CSDPS425.C1 275.13,340.36 ; CSDPS425.C1 274.32,341.17 ; CSDPS425.C1 273.51,340.36 ; D129.A15 122.73,93.98 ; D129.A15 121.92,94.79 ; D129.A15 121.11,93.98 ; D129.A15 121.92,93.17 ; 342.09,335.28 D113.A3 ; D113.A3 342.9,334.47 ; D113.A3 343.71,335.28 ; D113.A3 342.9,336.09 ; 326.85,73.66 D102.A9 ; D102.A9 327.66,72.85 ; D102.A9 328.47,73.66 ; D102.A9 327.66,74.47 ; 164.29,78.74 D118.B3 ; D118.B3 165.1,79.55 ; D118.B3 165.1,77.93 ; D118.B3 165.91,78.74 ; D131.B11 111.76,59.23 ; D131.B11 112.57,58.42 ; D131.B11 111.76,57.61 ; D131.B11 110.95,58.42 ; D321.A8 252.17,86.36 ; D321.A8 250.75,86.36 ; D321.A8 251.46,87.07 ; D321.A8 251.46,85.65 ; 339.65,66.04 D302.A14 ; D302.A14 340.36,65.33 ; D302.A14 340.36,66.75 ; D302.A14 341.07,66.04 ; 393.7,55.07 D107.A6 ; D107.A6 393.7,56.69 ; D107.A6 394.51,55.88 ; D107.A6 392.89,55.88 ; D124.B3 239.57,38.1 ; D124.B3 238.76,37.29 ; D124.B3 238.76,38.91 ; D124.B3 237.95,38.1 ; D301.B7 322.58,89.61 ; D301.B7 322.58,88.19 ; D301.B7 323.29,88.9 ; D301.B7 321.87,88.9 ; D127.A5 23.67,53.34 ; D127.A5 22.05,53.34 ; D127.A5 22.86,54.15 ; D127.A5 22.86,52.53 ; 198.12,382.73 D431.A2 ; D431.A2 197.31,383.54 ; D431.A2 198.93,383.54 ; D431.A2 198.12,384.35 ; 243.03,58.42 D123.B5 ; D123.B5 244.65,58.42 ; D123.B5 243.84,57.61 ; D123.B5 243.84,59.23 ; 27.13,78.74 D126.B7 ; D126.B7 27.94,79.55 ; D126.B7 28.75,78.74 ; D126.B7 27.94,77.93 ; 11.89,58.42 D127.B1 ; D127.B1 13.51,58.42 ; D127.B1 12.7,59.23 ; D127.B1 12.7,57.61 ; D129.B6 99.06,102.41 ; D129.B6 99.06,100.79 ; D129.B6 98.25,101.6 ; D129.B6 99.87,101.6 ; 397.97,40.64 D108.B8 ; D108.B8 399.59,40.64 ; D108.B8 398.78,41.45 ; D108.B8 398.78,39.83 ; D231.B2 198.12,369.11 ; D231.B2 198.12,367.49 ; D231.B2 197.31,368.3 ; D231.B2 198.93,368.3 ; D123.B13 264.16,59.23 ; D123.B13 264.16,57.61 ; D123.B13 264.97,58.42 ; D123.B13 263.35,58.42 ; SITE4.G16 333.11,182.83 ; SITE4.G16 332.15,182.83 ; SITE4.G16 332.63,183.31 ; SITE4.G16 332.63,182.35 ; 321.77,410.21 DPS2.C11 ; DPS2.C11 322.58,409.4 ; DPS2.C11 322.58,411.02 ; DPS2.C11 323.39,410.21 ; D131.B4 94.79,60.96 ; D131.B4 93.17,60.96 ; D131.B4 93.98,60.15 ; D131.B4 93.98,61.77 ; D103.A16 346.25,55.88 ; D103.A16 344.63,55.88 ; D103.A16 345.44,56.69 ; D103.A16 345.44,55.07 ; D130.A2 88.9,77.01 ; D130.A2 88.09,76.2 ; D130.A2 89.71,76.2 ; D130.A2 88.9,75.39 ; 91.44,52.53 D131.A3 ; D131.A3 90.63,53.34 ; D131.A3 91.44,54.15 ; D131.A3 92.25,53.34 ; D126.A8 30.48,77.01 ; D126.A8 31.29,76.2 ; D126.A8 29.67,76.2 ; D126.A8 30.48,75.39 ; 108.41,35.56 D132.A10 ; D132.A10 109.22,36.37 ; D132.A10 109.22,34.75 ; D132.A10 110.03,35.56 ; 118.57,55.88 D131.A14 ; D131.A14 119.38,55.07 ; D131.A14 119.38,56.69 ; D131.A14 120.19,55.88 ; D305.A3 386.79,83.82 ; D305.A3 386.08,84.53 ; D305.A3 386.08,83.11 ; D305.A3 385.37,83.82 ; D112.B7 407.21,391.16 ; D112.B7 406.4,390.35 ; D112.B7 405.59,391.16 ; D112.B7 406.4,391.97 ; D301.B8 325.12,92.15 ; D301.B8 325.83,91.44 ; D301.B8 325.12,90.73 ; D301.B8 324.41,91.44 ; 268.43,73.66 D122.A15 ; D122.A15 269.24,74.47 ; D122.A15 269.24,72.85 ; D122.A15 270.05,73.66 ; D122.A6 247.19,76.2 ; D122.A6 246.38,75.39 ; D122.A6 246.38,77.01 ; D122.A6 245.57,76.2 ; D119.A15 196.39,53.34 ; D119.A15 195.58,52.53 ; D119.A15 194.77,53.34 ; D119.A15 195.58,54.15 ; D231.B17 160.02,371.65 ; D231.B17 160.02,370.03 ; D231.B17 160.83,370.84 ; D231.B17 159.21,370.84 ; 19.51,81.28 D126.B4 ; D126.B4 20.32,80.47 ; D126.B4 21.13,81.28 ; D126.B4 20.32,82.09 ; 45.72,75.39 D126.A14 ; D126.A14 44.91,76.2 ; D126.A14 46.53,76.2 ; D126.A14 45.72,77.01 ; 93.98,39.83 D132.B4 ; D132.B4 94.79,40.64 ; D132.B4 93.98,41.45 ; D132.B4 93.17,40.64 ; D109.A6 409.75,332.74 ; D109.A6 408.13,332.74 ; D109.A6 408.94,331.93 ; D109.A6 408.94,333.55 ; D123.A13 264.97,53.34 ; D123.A13 263.35,53.34 ; D123.A13 264.16,54.15 ; D123.A13 264.16,52.53 ; 406.4,395.43 D112.A7 ; D112.A7 406.4,397.05 ; D112.A7 405.59,396.24 ; D112.A7 407.21,396.24 ; D431.B13 170.18,381.81 ; D431.B13 170.99,381 ; D431.B13 169.37,381 ; D431.B13 170.18,380.19 ; 170.18,385.27 D431.A13 ; D431.A13 169.37,386.08 ; D431.A13 170.99,386.08 ; D431.A13 170.18,386.89 ; 24.59,55.88 D127.A6 ; D127.A6 25.4,56.69 ; D127.A6 25.4,55.07 ; D127.A6 26.21,55.88 ; 259.08,52.53 D123.A11 ; D123.A11 259.08,54.15 ; D123.A11 259.89,53.34 ; D123.A11 258.27,53.34 ; D102.A14 340.36,77.01 ; D102.A14 339.55,76.2 ; D102.A14 340.36,75.39 ; D102.A14 341.17,76.2 ; D131.B10 109.22,61.77 ; D131.B10 108.41,60.96 ; D131.B10 109.22,60.15 ; D131.B10 110.03,60.96 ; D124.B11 259.89,38.1 ; D124.B11 259.08,38.91 ; D124.B11 258.27,38.1 ; D124.B11 259.08,37.29 ; 403.86,39.83 D108.B10 ; D108.B10 403.86,41.45 ; D108.B10 403.05,40.64 ; D108.B10 404.67,40.64 ; D112.B5 411.48,391.97 ; D112.B5 412.29,391.16 ; D112.B5 411.48,390.35 ; D112.B5 410.67,391.16 ; D129.B1 87.17,99.06 ; D129.B1 85.55,99.06 ; D129.B1 86.36,99.87 ; D129.B1 86.36,98.25 ; D318.B15 196.29,68.58 ; D318.B15 195.58,69.29 ; D318.B15 194.87,68.58 ; D318.B15 195.58,67.87 ; 248.33,180.85 SITE3.G1 ; SITE3.G1 248.33,181.81 ; SITE3.G1 247.85,181.33 ; SITE3.G1 248.81,181.33 ; D128.A12 40.64,36.37 ; D128.A12 41.45,35.56 ; D128.A12 39.83,35.56 ; D128.A12 40.64,34.75 ; D113.B14 314.96,328.47 ; D113.B14 314.15,327.66 ; D113.B14 315.77,327.66 ; D113.B14 314.96,326.85 ; SITE1.G14 250.23,243.31 ; SITE1.G14 250.23,242.35 ; SITE1.G14 249.75,242.83 ; SITE1.G14 250.71,242.83 ; D103.B16 345.44,61.77 ; D103.B16 346.25,60.96 ; D103.B16 344.63,60.96 ; D103.B16 345.44,60.15 ; D302.B16 345.44,71.83 ; D302.B16 345.44,70.41 ; D302.B16 346.15,71.12 ; D302.B16 344.73,71.12 ; 327.66,37.29 D104.B9 ; D104.B9 327.66,38.91 ; D104.B9 328.47,38.1 ; D104.B9 326.85,38.1 ; D110.B6 409.75,347.98 ; D110.B6 408.13,347.98 ; D110.B6 408.94,347.17 ; D110.B6 408.94,348.79 ; D302.A9 328.37,63.5 ; D302.A9 327.66,64.21 ; D302.A9 326.95,63.5 ; D302.A9 327.66,62.79 ; CSDPS429.C3 196.39,340.36 ; CSDPS429.C3 195.58,341.17 ; CSDPS429.C3 195.58,339.55 ; CSDPS429.C3 194.77,340.36 ; 250.65,342.9 CSDPS425.B10 ; CSDPS425.B10 251.46,343.71 ; CSDPS425.B10 252.27,342.9 ; CSDPS425.B10 251.46,342.09 ; 90.63,78.74 D130.B3 ; D130.B3 92.25,78.74 ; D130.B3 91.44,77.93 ; D130.B3 91.44,79.55 ; 398.78,55.07 D107.A8 ; D107.A8 398.78,56.69 ; D107.A8 397.97,55.88 ; D107.A8 399.59,55.88 ; D122.B10 257.35,81.28 ; D122.B10 256.54,80.47 ; D122.B10 256.54,82.09 ; D122.B10 255.73,81.28 ; 390.35,335.28 D109.A13 ; D109.A13 391.16,334.47 ; D109.A13 391.16,336.09 ; D109.A13 391.97,335.28 ; D110.B2 419.91,347.98 ; D110.B2 419.1,347.17 ; D110.B2 418.29,347.98 ; D110.B2 419.1,348.79 ; D125.A5 22.86,94.79 ; D125.A5 22.05,93.98 ; D125.A5 22.86,93.17 ; D125.A5 23.67,93.98 ; 388.62,352.25 D110.A14 ; D110.A14 388.62,353.87 ; D110.A14 387.81,353.06 ; D110.A14 389.43,353.06 ; D119.A14 193.04,56.69 ; D119.A14 192.23,55.88 ; D119.A14 193.04,55.07 ; D119.A14 193.85,55.88 ; 22.05,73.66 D126.A5 ; D126.A5 23.67,73.66 ; D126.A5 22.86,74.47 ; D126.A5 22.86,72.85 ; D122.A10 256.54,77.01 ; D122.A10 255.73,76.2 ; D122.A10 256.54,75.39 ; D122.A10 257.35,76.2 ; 332.03,88.9 D301.B11 ; D301.B11 332.74,89.61 ; D301.B11 333.45,88.9 ; D301.B11 332.74,88.19 ; 172.72,367.49 D231.B12 ; D231.B12 173.53,368.3 ; D231.B12 171.91,368.3 ; D231.B12 172.72,369.11 ; D115.A8 330.2,374.19 ; D115.A8 329.39,373.38 ; D115.A8 331.01,373.38 ; D115.A8 330.2,372.57 ; 255.83,86.36 D321.A10 ; D321.A10 256.54,87.07 ; D321.A10 256.54,85.65 ; D321.A10 257.25,86.36 ; D126.B14 46.53,81.28 ; D126.B14 45.72,82.09 ; D126.B14 44.91,81.28 ; D126.B14 45.72,80.47 ; 411.48,77.93 D106.B13 ; D106.B13 410.67,78.74 ; D106.B13 411.48,79.55 ; D106.B13 412.29,78.74 ; D118.B12 188.77,81.28 ; D118.B12 187.15,81.28 ; D118.B12 187.96,82.09 ; D118.B12 187.96,80.47 ; 247.85,247.93 SITE1.G7 ; SITE1.G7 248.33,247.45 ; SITE1.G7 248.33,248.41 ; SITE1.G7 248.81,247.93 ; 241.3,80.47 D122.B4 ; D122.B4 242.11,81.28 ; D122.B4 240.49,81.28 ; D122.B4 241.3,82.09 ; D120.A8 177.8,36.37 ; D120.A8 177.8,34.75 ; D120.A8 176.99,35.56 ; D120.A8 178.61,35.56 ; D301.A13 338.53,83.82 ; D301.A13 337.82,83.11 ; D301.A13 337.11,83.82 ; D301.A13 337.82,84.53 ; D318.A3 165.81,63.5 ; D318.A3 165.1,64.21 ; D318.A3 165.1,62.79 ; D318.A3 164.39,63.5 ; 263.45,83.82 D321.A13 ; D321.A13 264.87,83.82 ; D321.A13 264.16,84.53 ; D321.A13 264.16,83.11 ; D103.B11 332.74,59.23 ; D103.B11 331.93,58.42 ; D103.B11 333.55,58.42 ; D103.B11 332.74,57.61 ; 24.59,101.6 D125.B6 ; D125.B6 25.4,100.79 ; D125.B6 25.4,102.41 ; D125.B6 26.21,101.6 ; 331.43,185.95 SITE4.G19 ; SITE4.G19 331.43,186.91 ; SITE4.G19 330.95,186.43 ; SITE4.G19 331.91,186.43 ; 116.03,73.66 D130.A13 ; D130.A13 117.65,73.66 ; D130.A13 116.84,72.85 ; D130.A13 116.84,74.47 ; 176.99,55.88 D119.A8 ; D119.A8 177.8,55.07 ; D119.A8 177.8,56.69 ; D119.A8 178.61,55.88 ; 421.64,390.35 D112.B1 ; D112.B1 420.83,391.16 ; D112.B1 422.45,391.16 ; D112.B1 421.64,391.97 ; 329.49,86.36 D301.A10 ; D301.A10 330.91,86.36 ; D301.A10 330.2,85.65 ; D301.A10 330.2,87.07 ; 119.38,80.47 D130.B14 ; D130.B14 119.38,82.09 ; D130.B14 120.19,81.28 ; D130.B14 118.57,81.28 ; 415.85,88.9 D305.B15 ; D305.B15 417.27,88.9 ; D305.B15 416.56,88.19 ; D305.B15 416.56,89.61 ; D112.A5 411.48,397.05 ; D112.A5 410.67,396.24 ; D112.A5 412.29,396.24 ; D112.A5 411.48,395.43 ; D306.A7 396.24,64.21 ; D306.A7 395.53,63.5 ; D306.A7 396.24,62.79 ; D306.A7 396.95,63.5 ; 414.02,65.33 D306.A14 ; D306.A14 414.02,66.75 ; D306.A14 414.73,66.04 ; D306.A14 413.31,66.04 ; 330.23,182.35 SITE4.G14 ; SITE4.G14 329.75,182.83 ; SITE4.G14 330.71,182.83 ; SITE4.G14 330.23,183.31 ; D126.B5 23.67,78.74 ; D126.B5 22.05,78.74 ; D126.B5 22.86,77.93 ; D126.B5 22.86,79.55 ; 197.31,332.74 CSDPS229.B2 ; CSDPS229.B2 198.12,333.55 ; CSDPS229.B2 198.93,332.74 ; CSDPS229.B2 198.12,331.93 ; D114.A2 345.44,353.87 ; D114.A2 344.63,353.06 ; D114.A2 346.25,353.06 ; D114.A2 345.44,352.25 ; D120.B14 193.85,40.64 ; D120.B14 192.23,40.64 ; D120.B14 193.04,39.83 ; D120.B14 193.04,41.45 ; D120.B3 165.91,38.1 ; D120.B3 165.1,37.29 ; D120.B3 164.29,38.1 ; D120.B3 165.1,38.91 ; D110.B8 404.67,347.98 ; D110.B8 403.05,347.98 ; D110.B8 403.86,348.79 ; D110.B8 403.86,347.17 ; D103.A14 341.17,55.88 ; D103.A14 339.55,55.88 ; D103.A14 340.36,55.07 ; D103.A14 340.36,56.69 ; 169.47,68.58 D318.B5 ; D318.B5 170.18,69.29 ; D318.B5 170.18,67.87 ; D318.B5 170.89,68.58 ; 414.02,352.25 D110.A4 ; D110.A4 413.21,353.06 ; D110.A4 414.02,353.87 ; D110.A4 414.83,353.06 ; D110.A5 412.29,355.6 ; D110.A5 411.48,354.79 ; D110.A5 411.48,356.41 ; D110.A5 410.67,355.6 ; 255.73,55.88 D123.A10 ; D123.A10 256.54,55.07 ; D123.A10 257.35,55.88 ; D123.A10 256.54,56.69 ; CSDPS225.C15 239.57,330.2 ; CSDPS225.C15 237.95,330.2 ; CSDPS225.C15 238.76,329.39 ; CSDPS225.C15 238.76,331.01 ; CSDPS429.C9 181.15,340.36 ; CSDPS429.C9 180.34,341.17 ; CSDPS429.C9 179.53,340.36 ; CSDPS429.C9 180.34,339.55 